# Altium PCB Spektrop2_Processor_Board_V1.PcbDoc (part 1 of 4) (continued)
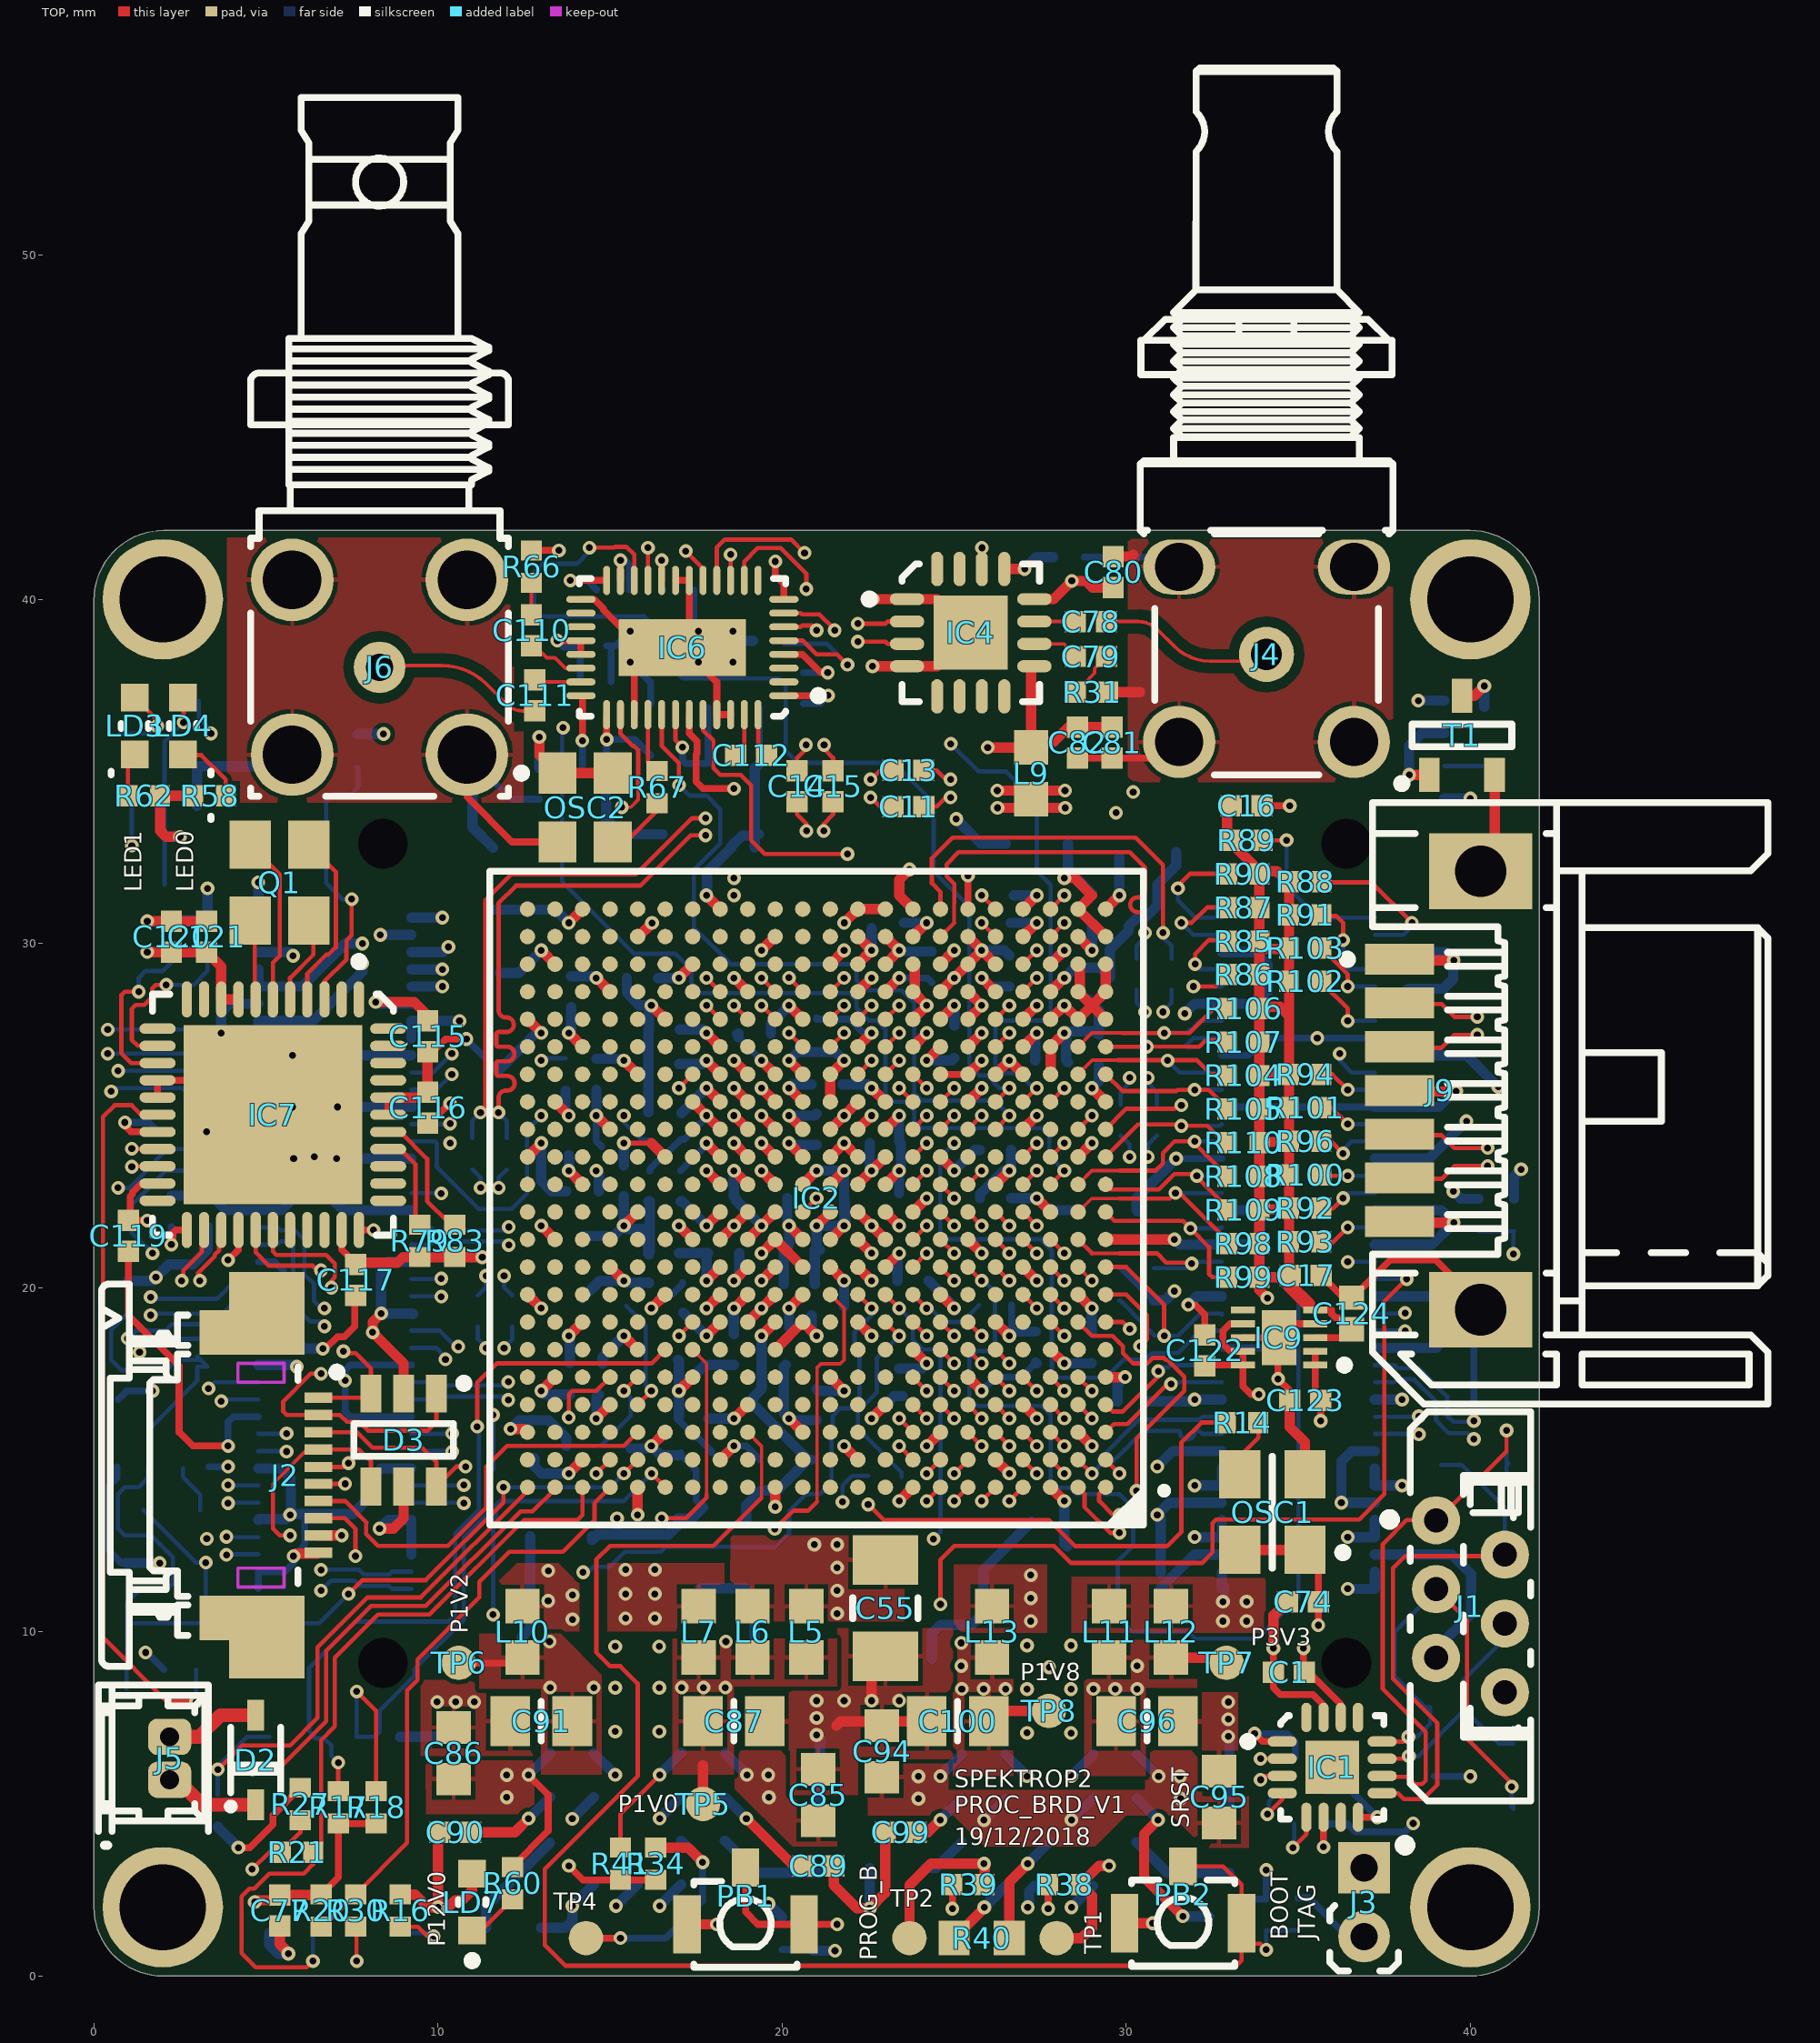
[diagram p0: TOP view]
## Classes and differential pairs (continued)
differential pair FPGA_BANK34_DIFF13: +FPGA_BANK34_DIFF13_P -FPGA_BANK34_DIFF13_N
differential pair FPGA_BANK34_DIFF14: +FPGA_BANK34_DIFF14_P -FPGA_BANK34_DIFF14_N
differential pair FPGA_BANK34_DIFF15: +FPGA_BANK34_DIFF15_P -FPGA_BANK34_DIFF15_N
differential pair FPGA_BANK34_DIFF16: +FPGA_BANK34_DIFF16_P -FPGA_BANK34_DIFF16_N
differential pair FPGA_BANK34_DIFF17: +FPGA_BANK34_DIFF17_P -FPGA_BANK34_DIFF17_N
differential pair FPGA_BANK34_DIFF18: +FPGA_BANK34_DIFF18_P -FPGA_BANK34_DIFF18_N
differential pair FPGA_BANK34_DIFF19: +FPGA_BANK34_DIFF19_P -FPGA_BANK34_DIFF19_N
differential pair MGT_TX1: +MGT_TX1_P -MGT_TX1_N

## Components (designator, comment, footprint, x,y, rotation, side; value= is the part's Value field where it differs from the comment)
C1 "1uF" CAPC1005X55N 34.726,8.819 r0 top locked
C2 "100nF" CAPC1005X55N 35.355,6.356 r180 bottom locked
C3 "100nF" CAPC0603X33N 20.91,1.085 r90 bottom locked
C4 "100nF" CAPC1005X55N 10.995,23.886 r90 bottom locked
C5 "100nF" CAPC1005X55N 12,23.886 r90 bottom locked
C6 "100nF" CAPC1005X55N 11.153,19.326 r90 bottom locked
C7 "100nF" CAPC1005X55N 12.158,19.326 r90 bottom locked
C8 "100nF" CAPC1005X55N 29.837,24.867 r270 bottom locked
C9 "100nF" CAPC1005X55N 30.884,24.867 r270 bottom locked
C10 "100nF" CAPC1005X55N 30.298,29.106 r90 bottom locked
C11 "100nF" CAPC1005X55N 23.667,33.98 r180 top locked
C12 "100nF" CAPC1005X55N 31.314,29.106 r90 bottom locked
C13 "100nF" CAPC1005X55N 23.667,35.029 r180 top locked
C14 "100nF" CAPC1005X55N 20.432,34.571 r90 top locked
C15 "100nF" CAPC1005X55N 21.48,34.571 r90 top locked
C16 "100nF" CAPC1005X55N 33.5,34 r180 top locked
C17 "100nF" CAPC1005X55N 35.215,20.359 r180 top locked
C18 "4.7uF" CAPC1005X55N 23.2,30.6 r180 bottom locked
C19 "100nF" CAPC1005X55N 26.7,31.1 r90 bottom locked
C20 "100nF" CAPC1005X55N 29,31 r90 bottom locked
C21 "330uF" CAPMP3528X210N 24.4,11.8 r0 bottom locked
C22 "4.7uF" CAPC1005X55N 16.6,25.1 r180 bottom locked
C23 "4.7uF" CAPC1005X55N 23.8,20.2 r0 bottom locked
C24 "100uF" CAPC3216X190N 19.02,11.27 r180 bottom locked
C25 "4.7uF" CAPC1005X55N 20.1,18.2 r270 bottom locked
C26 "47uF" CAPC2012X140N 13.4,12.8 r180 bottom locked
C27 "4.7uF" CAPC1005X55N 28.993,18.331 r270 bottom locked
C28 "4.7uF" CAPC1005X55N 29.199,26.9 r90 bottom locked
C29 "47uF" CAPC2012X140N 11.598,31.882 r90 bottom locked
C30 "4.7uF" CAPC1005X55N 16.564,27.5 r180 bottom locked
C31 "4.7uF" CAPC1005X55N 15.936,28.991 r180 bottom locked
C32 "47uF" CAPC2012X140N 14.199,20.6 r90 bottom locked
C33 "470nF" CAPC1005X55N 18.599,18.2 r270 bottom locked
C34 "470nF" CAPC1005X55N 16.7,22.5 r180 bottom locked
C35 "470nF" CAPC1005X55N 17.1,19.7 r90 bottom locked
C36 "470nF" CAPC1005X55N 21.3,19.2 r180 bottom locked
C37 "470nF" CAPC1005X55N 16.549,21 r180 bottom locked
C38 "470nF" CAPC1005X55N 18.3,21 r0 bottom locked
C39 "470nF" CAPC1005X55N 16.7,23.4 r180 bottom locked
C40 "470nF" CAPC1005X55N 26.2,22.6 r180 bottom locked
C41 "470nF" CAPC1005X55N 27.364,18.276 r270 bottom locked
C42 "470nF" CAPC1005X55N 15.4,23.1 r270 bottom locked
C43 "470nF" CAPC1005X55N 13.869,28.6 r270 bottom locked
C44 "470nF" CAPC1005X55N 19.088,27.381 r180 bottom locked
C45 "470nF" CAPC1005X55N 14.599,26.2 r270 bottom locked
C46 "4.7uF" CAPC1005X55N 26.6,29.3 r90 bottom locked
C47 "100nF" CAPC1005X55N 24.349,29.318 r90 bottom locked
C48 "100nF" CAPC1005X55N 27.799,26.6 r0 bottom locked
C49 "47uF" CAPC2012X140N 27.4,32.9 r0 bottom locked
C50 "4.7uF" CAPC1005X55N 23.5,17.3 r270 bottom locked
C51 "4.7uF" CAPC1005X55N 21,24.5 r270 bottom locked
C52 "100uF" CAPC3216X190N 17.923,33.174 r0 bottom locked
C53 "4.7uF" CAPC1005X55N 17.449,16.2 r180 bottom locked
C54 "470nF" CAPC1005X55N 20.999,16.6 r270 bottom locked
C55 "100uF" CAPC3216X190N 23,10.688 r270 top locked
C56 "4.7uF" CAPC1005X55N 21.3,25.9 r180 bottom locked
C57 "470nF" CAPC1005X55N 22.999,24.2 r0 bottom locked
C58 "4.7uF" CAPC1005X55N 29.1,28.8 r225 bottom locked
C59 "470nF" CAPC1005X55N 27.7,13.2 r180 bottom locked
C60 "470nF" CAPC1005X55N 30.199,16.7 r0 bottom locked
C61 "470nF" CAPC1005X55N 26.2,24.1 r0 bottom locked
C62 "47uF" CAPC2012X140N 29.4,22.25 r0 bottom locked
C63 "4.7uF" CAPC1005X55N 13.724,17.35 r90 bottom locked
C64 "470nF" CAPC1005X55N 14.215,24.1 r0 bottom locked
C65 "470nF" CAPC1005X55N 12.8,15.7 r90 bottom locked
C66 "100uF" CAPC3216X190N 11.696,27.737 r90 bottom locked
C67 "4.7uF" CAPC1005X55N 21,27.4 r90 bottom locked
C68 "470nF" CAPC1005X55N 16.564,26.45 r180 bottom locked
C69 "100uF" CAPC3216X190N 29.6,11.2 r0 bottom locked
C70 "4.7uF" CAPC1005X55N 14.679,17.342 r270 bottom locked
C71 "470nF" CAPC1005X55N 17.5,15.2 r0 bottom locked
C72 "470nF" CAPC1005X55N 19.599,16.8 r0 bottom locked
C73 "10uF" CAPC1608X80N 20,15.1 r180 bottom locked
C74 "100nF" CAPC1005X55N 35.13,10.876 r180 top locked
C75 "4.7uF" CAPC1005X55N 1.124,14.8 r180 bottom locked
C76 "100nF" CAPC1005X55N 34.066,1.785 r90 bottom locked
C77 "100nF" CAPC1005X55N 5.4,1.9 r90 top locked
C78 "33nF" CAPC1005X55N 28.972,39.356 r180 top locked
C79 "33nF" CAPC1005X55N 28.972,38.34 r180 top locked
C80 "100nF" CAPC1005X55N 29.619,40.794 r90 top locked
C81 "10nF" CAPC1005X55N 29.591,35.842 r270 top locked
C82 "10nF" CAPC1005X55N 28.582,35.842 r270 top locked
C83 "10nF" CAPC1005X55N 28.325,41.225 r0 bottom locked
C84 "10uF" CAPC2012X95N 10.8,6 r270 bottom locked
C85 "4.7uF" CAPC1709X95N 21.045,5.26 r270 top locked
C86 "4.7uF" CAPC1709X95N 10.45,6.47 r270 top locked
C87 "47uF" CAPC2012X140N 18.6,7.4 r180 top locked
C88 "22uF" CAPC1709X100N 18.4,9.216 r180 bottom locked
C89 "100nF" CAPC1005X55N 21.05,3.2 r180 top locked
C90 "100nF" CAPC1005X55N 10.5,4.176 r0 top locked
C91 "47uF" CAPC2012X140N 13,7.4 r0 top locked
C92 "22uF" CAPC1709X100N 13.24,9.216 r0 bottom locked
C93 "10uF" CAPC2012X95N 22.6,6.025 r270 bottom locked
C94 "4.7uF" CAPC1709X95N 22.9,6.523 r270 top locked
C95 "4.7uF" CAPC1709X95N 32.7,5.2 r270 top locked
C96 "47uF" CAPC2012X140N 30.6,7.4 r180 top locked
C97 "22uF" CAPC1709X100N 30.315,9.2 r180 bottom locked
C98 "100nF" CAPC1005X55N 32.78,1.741 r180 bottom locked
C99 "100nF" CAPC1005X55N 23.44,4.173 r0 top locked
C100 "47uF" CAPC2012X140N 25.1,7.4 r0 top locked
C101 "22uF" CAPC1709X100N 25.147,9.2 r0 bottom locked
C102 "470nF" CAPC1005X55N 20.5,20.1 r0 bottom locked
C103 "100nF" CAPC1005X55N 20.5,21.1 r0 bottom locked
C110 "4.7uF" CAPC1005X55N 12.712,39.1 r90 top locked
C111 "4.7uF" CAPC1005X55N 12.812,37.208 r270 top locked
C112 "470nF" CAPC1005X55N 19.096,35.468 r180 top locked
C113 "10nF" CAPC1005X55N 12.944,34.642 r90 bottom locked
C114 "10nF" CAPC1005X55N 19.6,38.8 r0 bottom locked
C115 "1uF" CAPC1005X55N 9.7,27.3 r270 top locked
C116 "1uF" CAPC1005X55N 9.7,25.225 r90 top locked
C117 "1uF" CAPC1005X55N 7.6,20.225 r90 top locked
C118 "1uF" CAPC1005X55N 3.3,22.225 r270 bottom locked
C119 "1uF" CAPC1005X55N 1,21.5 r90 top locked
C120 "1uF" CAPC1005X55N 2.25,30.2 r270 top locked
C121 "1uF" CAPC1005X55N 3.275,30.2 r270 top locked
C122 "1uF" CAPC1005X55N 32.275,18.175 r270 top locked
C123 "100nF" CAPC1005X55N 35.197,16.729 r180 top locked
C124 "10uF" CAPC1005X70N 36.55,19.25 r270 top locked
C125 "1uF" CAPC1005X55N 15.106,40.281 r180 bottom locked
C126 "100nF" CAPC1005X55N 16.989,40.277 r180 bottom locked
C127 "10uF" CAPC1608X80N 16.175,36.214 r270 bottom locked
C128 "100nF" CAPC1005X55N 14.6,35.1 r0 bottom locked
C129 "100nF" CAPC1005X55N 20.636,37.461 r90 bottom locked
C130 "10uF" CAPC1608X80N 18.587,36.851 r180 bottom locked
C131 "10uF" CAPC1608X80N 18.587,35.224 r180 bottom locked
C132 "100nF" CAPC1005X55N 14.584,38.649 r180 bottom locked
C133 "100nF" CAPC1005X55N 14.584,37.61 r180 bottom locked
C134 "1uF" CAPC1005X55N 2.325,24.525 r180 bottom locked
C135 "1uF" CAPC1005X55N 2.25,22.225 r270 bottom locked
D1 "BAT54" SOT95P240X130-3N 1.95,16.95 r180 bottom locked
D2 "CDSOD323-T12" SOD2513X114N 4.7,6.275 r90 top locked
D3 "PESD3V3S4UD" SOT95P280X110-6N 9,15.57 r270 top locked
D4 "SM712" SOT95P237X112-3N 40.1,5.8 r180 bottom locked
D5 "SM712" SOT95P237X112-3N 40.1,16 r90 bottom locked
IC1 "MAX13433E" QFN50P300X300X80-17N-S155 35.983,6.063 r0 top locked
IC2 "XC7Z015-2CLG485E" BGA484C80P22X22_1900X1900X160 20.999,22.6 r180 top locked
IC3 "S25FL128LAGNFV01" SON127P600X500X80-9N-R350X410 7,4.1 r270 bottom locked
IC4 "EQCO62T20.3" QFN65P400X400X95-17N-S215 25.479,39.031 r0 top locked
IC5 "LTM4622AEY#PBF" BGA25C127P5X5_625X625X262 15.795,5.2 r270 bottom locked
IC6 "GS12281-INE3" QFN40P600X400X100-41N-R370X168 17.1,38.6 r180 top locked
IC7 "SI5340" QFN50P700X700X80-45N-S520 5.2,25.025 r270 top locked
IC8 "LTM4622AEY#PBF" BGA25C127P5X5_625X625X262 27.76,5.16 r270 bottom locked
IC9 "TPS51206DSQT" SON40P200X200X80-11N-R100X160 34.438,18.55 r180 top locked
J1 "FFC/FPC" MOLEX_52030-0629 40,10.741 r270 top locked
J2 "FFC/FPC" MOLEX_52745-1097 6.525,14.55 r270 top locked
J3 "Header 2" HARWIN_M22-2510205 36.909,3.146 r270 top locked
J4 "75R" AMPHENOL_282139-75 34.075,38.4 r270 top locked
J5 "PicoBlade" MOLEX_53047-0210 2.2,6.325 r90 top locked
J6 "HD-BNC" AMPHENOL_34-1030-12G 8.3,38.025 r270 top locked
J7 "Socket 80" SAMTEC_ERF5-040-05.0-L-DV-K 7,21 r90 bottom locked
J8 "Socket 80" SAMTEC_ERF5-040-05.0-L-DV-K 35,21 r90 bottom locked
J9 "SATA" 3M_5607-4200-SH 37.94,25.73 r90 top locked
L1 "120R@100MHz" INDC1608X65N 19.4,22.6 r180 bottom locked
L2 "120R@100MHz" INDC1608X65N 22.6,22.6 r0 bottom locked
L3 "120R@100MHz" INDC1608X65N 30.7,32.651 r0 bottom locked
L4 "120R@100MHz" INDC1608X65N 18.2,13.2 r0 bottom locked
L5 "120R@100MHz" INDC1608X65N 20.7,10 r90 top locked
L6 "120R@100MHz" INDC1608X65N 19.137,10 r90 top locked
L7 "120R@100MHz" INDC1608X65N 17.575,10 r90 top locked
L9 "120R@100MHz" INDC1608X65N 27.235,34.944 r90 top locked
L10 "120R@100MHz" INDC1608X65N 12.454,10 r90 top locked
L11 "120R@100MHz" INDC1608X65N 29.5,10 r90 top locked
L12 "120R@100MHz" INDC1608X65N 31.3,10 r90 top locked
L13 "120R@100MHz" INDC1608X65N 26.1,10 r90 top locked
LD1 "Color" LED_KINGBRIGHT_KPH-1608CGCK 40.403,36.047 r90 bottom locked
LD2 "Color" LED_KINGBRIGHT_KPH-1608CGCK 2.265,13.535 r180 bottom locked
LD3 "Color" LED_KINGBRIGHT_KPH-1608CGCK 1.186,36.321 r90 top locked
LD4 "Color" LED_KINGBRIGHT_KPH-1608CGCK 2.586,36.321 r90 top locked
LD7 "Color" LED_KINGBRIGHT_KPH-1608CGCK 10.991,2.147 r90 top locked
OSC1 "33.33333MHz" OSC_SI-TIME_3.2X2.5X0.75mm 34.243,13.478 r180 top locked
OSC2 "27MHz" OSCCC200X250X90-4N 14.275,33.95 r0 top locked
PB1 "Push Button" PB_OMRON_B3U-1100P 18.935,1.5 r180 top locked
PB2 "Push Button" PB_OMRON_B3U-1100P 31.65,1.535 r180 top locked
Q1 "48MHz" XTAL_TXC_7M 5.393,31.767 r0 top locked
R1 "4k7" RESC1005X40N 35.35,4.42 r0 bottom locked
R2 "100" RESC1005X40N 39.3,7.8 r180 bottom locked
R3 "4k7" RESC1005X40N 35.351,5.372 r180 bottom locked
R5 "22" RESC1005X40N 23,14.5 r0 bottom locked
R8 "4k7" RESC1005X40N 13.7,26.193 r90 bottom locked
R9 "0" RESC1005X40N 16.5,24.3 r180 bottom locked
R10 "1k" RESC1005X40N 39.242,34.687 r270 bottom locked
R11 "4k7" RESC1005X40N 19.995,1.235 r90 bottom locked
R12 "3k" RESC1005X40N 39.242,36.587 r90 bottom locked
R13 "100" RESC1005X40N 24.9,27.2 r270 bottom locked
R14 "22" RESC1005X40N 33.368,16.082 r0 top locked
R15 "4k7" RESC1005X40N 3.6,4.8 r270 bottom locked
R16 "20k" RESC1005X40N 8.9,1.9 r90 top locked
R17 "20k" RESC1005X40N 7.1,4.9 r270 top locked
R18 "20k" RESC1005X40N 8.2,4.9 r270 top locked
R19 "100" RESC1005X40N 26.2,19.5 r0 bottom locked
R20 "20k" RESC1005X40N 6.6,1.9 r90 top locked
R21 "20k" RESC1005X40N 5.9,3.6 r180 top locked
R22 "1k" RESC1005X40N 2.87,14.8 r0 bottom locked
R23 "10k" RESC1005X40N 34.996,1.797 r90 bottom locked
R24 "100k" RESC1005X40N 0.983,19.727 r90 bottom locked
R25 "20k" RESC1005X40N 15.8,19.8 r225 bottom locked
R26 "20k" RESC1005X40N 15.6,15.8 r90 bottom locked
R27 "1k" RESC1005X40N 6,5 r90 top locked
R28 "Undefined" RESC1005X40N 14.2,15.4 r180 bottom locked
R29 "Undefined" RESC1005X40N 16.5,17.9 r0 bottom locked
R30 "22" RESC1005X40N 7.6,1.9 r270 top locked
R31 "75" RESC1005X40N 29,37.3 r180 top locked
R32 "60k4" RESC1608X55N 12.2,1.4 r180 bottom locked
R33 "90k9" RESC1608X55N 21.09,3.8 r270 bottom locked
R34 "10k" RESC1005X40N 16.319,3.26 r90 top locked
R36 "30k1" RESC1608X55N 23.35,3.14 r0 bottom locked
R37 "13k3" RESC1608X55N 33,3.8 r270 bottom locked
R38 "10k" RESC1005X40N 28.2,2.66 r0 top locked
R39 "10k" RESC1005X40N 25.415,2.66 r0 top locked
R40 "324k" RESC1608X55N 25.8,1.1 r0 top locked
R41 "10k" RESC1005X40N 15.3,3.26 r90 top locked
R48 "100" RESC1005X40N 14.2,22.7 r0 bottom locked
R58 "1k" RESC1005X40N 3.36,34.295 r180 top locked
R60 "10k" RESC1005X40N 12.16,2.7 r90 top locked
R62 "1k" RESC1005X40N 1.455,34.295 r0 top locked
R66 "75" RESC1005X40N 12.712,40.95 r90 top locked
R67 "22" RESC1005X40N 16.361,34.545 r90 top locked
R77 "Undefined" RESC1005X40N 40.231,22.111 r270 bottom locked
R78 "1k" RESC1005X40N 41.271,22.111 r90 bottom locked
R79 "4k7" RESC1005X40N 9.471,21.355 r270 top locked
R80 "4k7" RESC1005X40N 7.651,35.618 r90 bottom locked
R81 "4k7" RESC1005X40N 2.3,30.2 r270 bottom locked
R82 "4k7" RESC1005X40N 3.3,30.2 r270 bottom locked
R83 "4k7" RESC1005X40N 10.491,21.355 r90 top locked
R84 "4k7" RESC1005X40N 2.5,8.9 r0 bottom locked
R85 "49R9" RESC1005X40N 33.4,30.069 r0 top locked
R86 "49R9" RESC1005X40N 33.4,29.1 r0 top locked
R87 "49R9" RESC1005X40N 33.4,31.046 r0 top locked
R88 "49R9" RESC1005X40N 35.2,31.8 r180 top locked
R89 "49R9" RESC1005X40N 33.5,33 r180 top locked
R90 "49R9" RESC1005X40N 33.4,32.023 r0 top locked
R91 "49R9" RESC1005X40N 35.2,30.833 r180 top locked
R92 "49R9" RESC1005X40N 35.2,22.306 r180 top locked
R93 "49R9" RESC1005X40N 35.2,21.333 r180 top locked
R94 "49R9" RESC1005X40N 35.2,26.2 r180 top locked
R95 "49R9" RESC1005X40N 29.8,20.1 r90 bottom locked
R96 "49R9" RESC1005X40N 35.2,24.253 r180 top locked
R97 "49R9" RESC1005X40N 30.8,20.1 r270 bottom locked
R98 "49R9" RESC1005X40N 33.4,21.277 r0 top locked
R99 "49R9" RESC1005X40N 33.4,20.3 r0 top locked
R100 "49R9" RESC1005X40N 35.2,23.28 r180 top locked
R101 "49R9" RESC1005X40N 35.2,25.227 r180 top locked
R102 "49R9" RESC1005X40N 35.2,28.9 r180 top locked
R103 "49R9" RESC1005X40N 35.2,29.867 r180 top locked
R104 "49R9" RESC1005X40N 33.4,26.162 r0 top locked
R105 "49R9" RESC1005X40N 33.4,25.185 r0 top locked
R106 "49R9" RESC1005X40N 33.4,28.115 r0 top locked
R107 "49R9" RESC1005X40N 33.4,27.138 r0 top locked
R108 "49R9" RESC1005X40N 33.4,23.231 r0 top locked
R109 "49R9" RESC1005X40N 33.4,22.254 r0 top locked
R110 "49R9" RESC1005X40N 33.4,24.208 r0 top locked
T1 "BSH103" SOT95P230X110-3N 39.753,36.047 r90 top locked
T2 "BSH103" SOT95P230X110-3N 2.1,11.05 r0 bottom locked
T4 "BSH103" SOT95P230X110-3N 2.05,32.85 r270 bottom locked
T5 "BSH103" SOT95P230X110-3N 1.9,36.1 r180 bottom locked
TP1 "SMD Pad" C100 27.975,1.1 r180 top locked
TP2 "SMD Pad" C100 23.7,1.1 r180 top locked
TP3 "SMD Pad" C100 1,8.3 r180 bottom locked
TP4 "SMD Pad" C100 14.301,1.1 r0 top locked
TP5 "SMD Pad" C100 17.7,5 r180 top locked
TP6 "SMD Pad" C100 10.6,9.1 r180 top locked
TP7 "SMD Pad" C100 32.91,9.1 r180 top locked
TP8 "SMD Pad" C100 27.75,7.7 r180 top locked

## Footprints (in the part's own frame and the unit in brackets; to place one, negate y for a bottom-side part, rotate by r counter-clockwise, add the part's x,y. Pads: shape width x height; smd on the part's side, far side on the other; paste and mask are expansions set on the pad)
3M_5607-4200-SH [mm] "1.27mm (.050\") Pitch, Surface Mount, Right Angle, Serial ATA Plug (SATA)"
  rect 0.9x2 smd: 1(3.81,0) 2(2.54,0) 3(1.27,0) 4(0,0) 5(-1.27,0) 6(-2.54,0) 7(-3.81,0)
  rect 2.2x3 hole 1.5: 8(-6.37,-2.36) 8(6.37,-2.36)
  silkscreen extent -9.11,-10.71 8.36,1.64, body extent -9.11,-10.71 8.36,0.79, height 4
AMPHENOL_34-1030-12G [mm] "75 Ohm HD-BNC Through Hole Right Angle PCB Jack"
  round 1.5 hole 0.8: 1(0,0)
  round 2.4 hole 1.7: 2(-2.54,2.54) 2(-2.54,-2.54) 2(2.54,2.54) 2(2.54,-2.54)
  silkscreen extent -16.55,-3.75 3.75,3.75, body extent -16.55,-3.75 3.75,3.75, height 8
AMPHENOL_282139-75 [mm] "75 Ohm 1.0/2.3 Right Angle Through Hole PCB Jack"
  round 1.6 hole 0.9: 1(0,0)
  oval 1.6x2.1 hole 1.4: 2(-2.54,2.54) 2(-2.54,-2.54)
  round 2.1 hole 1.4: 2(2.54,2.54) 2(2.54,-2.54)
  silkscreen extent -17.04,-3.67 3.5,3.67, body extent -17.04,-3.67 3.5,3.67, height 7.4
BGA25C127P5X5_625X625X262 [mm] "BGA, 1.27mm Pitch, Square; 25 Pin, 5 Columns X 5 Rows, 6.25mm X 6.25mm X 2.62mm H"
  round 0.6 smd: A1(-2.54,2.54) A2(-1.27,2.54) A3(0,2.54) A4(1.27,2.54) A5(2.54,2.54) B1(-2.54,1.27) B2(-1.27,1.27) B3(0,1.27) B4(1.27,1.27) B5(2.54,1.27) C1(-2.54,0) C2(-1.27,0) C3(0,0) C4(1.27,0) C5(2.54,0) D1(-2.54,-1.27) D2(-1.27,-1.27) D3(0,-1.27) D4(1.27,-1.27) D5(2.54,-1.27) E1(-2.54,-2.54) E2(-1.27,-2.54) E3(0,-2.54) E4(1.27,-2.54) E5(2.54,-2.54)
  silkscreen extent -3.71,-3.15 3.15,3.15, body extent -3.12,-3.12 3.13,3.13, height 2.62
BGA484C80P22X22_1900X1900X160 [mm] "BGA, 0.80mm Pitch, Square; 484 Pins, 22 Columns X 22 Rows, 19.00mm X 19.00mm X 1.60mm H"
  round 0.45 smd: A1(-8.4,8.4) A2(-7.6,8.4) A3(-6.8,8.4) A4(-6,8.4) A5(-5.2,8.4) A6(-4.4,8.4) A7(-3.6,8.4) A8(-2.8,8.4) A9(-2,8.4) A10(-1.2,8.4) A11(-0.4,8.4) A12(0.4,8.4) A13(1.2,8.4) A14(2,8.4) A15(2.8,8.4) A16(3.6,8.4) A17(4.4,8.4) A18(5.2,8.4) A19(6,8.4) A20(6.8,8.4) A21(7.6,8.4) A22(8.4,8.4) AA1(-8.4,-7.6) AA2(-7.6,-7.6) AA3(-6.8,-7.6) AA4(-6,-7.6) AA5(-5.2,-7.6) AA6(-4.4,-7.6) AA7(-3.6,-7.6) AA8(-2.8,-7.6) AA9(-2,-7.6) AA10(-1.2,-7.6) AA11(-0.4,-7.6) AA12(0.4,-7.6) AA13(1.2,-7.6) AA14(2,-7.6) AA15(2.8,-7.6) AA16(3.6,-7.6) AA17(4.4,-7.6) AA18(5.2,-7.6) AA19(6,-7.6) AA20(6.8,-7.6) AA21(7.6,-7.6) AA22(8.4,-7.6) AB1(-8.4,-8.4) AB2(-7.6,-8.4) AB3(-6.8,-8.4) AB4(-6,-8.4) AB5(-5.2,-8.4) AB6(-4.4,-8.4) AB7(-3.6,-8.4) AB8(-2.8,-8.4) AB9(-2,-8.4) AB10(-1.2,-8.4) AB11(-0.4,-8.4) AB12(0.4,-8.4) AB13(1.2,-8.4) AB14(2,-8.4) AB15(2.8,-8.4) AB16(3.6,-8.4) AB17(4.4,-8.4) AB18(5.2,-8.4) AB19(6,-8.4) AB20(6.8,-8.4) AB21(7.6,-8.4) AB22(8.4,-8.4) B1(-8.4,7.6) B2(-7.6,7.6) B3(-6.8,7.6) B4(-6,7.6) B5(-5.2,7.6) B6(-4.4,7.6) B7(-3.6,7.6) B8(-2.8,7.6) B9(-2,7.6) B10(-1.2,7.6) B11(-0.4,7.6) B12(0.4,7.6) B13(1.2,7.6) B14(2,7.6) B15(2.8,7.6) B16(3.6,7.6) B17(4.4,7.6) B18(5.2,7.6) B19(6,7.6) B20(6.8,7.6) B21(7.6,7.6) B22(8.4,7.6) C1(-8.4,6.8) C2(-7.6,6.8) C3(-6.8,6.8) C4(-6,6.8) C5(-5.2,6.8) C6(-4.4,6.8) C7(-3.6,6.8) C8(-2.8,6.8) C9(-2,6.8) C10(-1.2,6.8) C11(-0.4,6.8) C12(0.4,6.8) C13(1.2,6.8) C14(2,6.8) C15(2.8,6.8) C16(3.6,6.8) C17(4.4,6.8) C18(5.2,6.8) C19(6,6.8) C20(6.8,6.8) C21(7.6,6.8) C22(8.4,6.8) D1(-8.4,6) D2(-7.6,6) D3(-6.8,6) D4(-6,6) D5(-5.2,6) D6(-4.4,6) D7(-3.6,6) D8(-2.8,6) D9(-2,6) D10(-1.2,6) D11(-0.4,6) D12(0.4,6) D13(1.2,6) D14(2,6) D15(2.8,6) D16(3.6,6) D17(4.4,6) D18(5.2,6) D19(6,6) D20(6.8,6) D21(7.6,6) D22(8.4,6) E1(-8.4,5.2) E2(-7.6,5.2) E3(-6.8,5.2) E4(-6,5.2) E5(-5.2,5.2) E6(-4.4,5.2) E7(-3.6,5.2) E8(-2.8,5.2) E9(-2,5.2) E10(-1.2,5.2) E11(-0.4,5.2) E12(0.4,5.2) E13(1.2,5.2) E14(2,5.2) E15(2.8,5.2) E16(3.6,5.2) E17(4.4,5.2) E18(5.2,5.2) E19(6,5.2) E20(6.8,5.2) E21(7.6,5.2) E22(8.4,5.2) F1(-8.4,4.4) F2(-7.6,4.4) F3(-6.8,4.4) F4(-6,4.4) F5(-5.2,4.4) F6(-4.4,4.4) F7(-3.6,4.4) F8(-2.8,4.4) F9(-2,4.4) F10(-1.2,4.4) F11(-0.4,4.4) F12(0.4,4.4) F13(1.2,4.4) F14(2,4.4) F15(2.8,4.4) F16(3.6,4.4) F17(4.4,4.4) F18(5.2,4.4) F19(6,4.4) F20(6.8,4.4) F21(7.6,4.4) F22(8.4,4.4) G1(-8.4,3.6) G2(-7.6,3.6) G3(-6.8,3.6) G4(-6,3.6) G5(-5.2,3.6) G6(-4.4,3.6) G7(-3.6,3.6) G8(-2.8,3.6) G9(-2,3.6) G10(-1.2,3.6) G11(-0.4,3.6) G12(0.4,3.6) G13(1.2,3.6) G14(2,3.6) G15(2.8,3.6) G16(3.6,3.6) G17(4.4,3.6) G18(5.2,3.6) G19(6,3.6) G20(6.8,3.6) G21(7.6,3.6) G22(8.4,3.6) H1(-8.4,2.8) H2(-7.6,2.8) H3(-6.8,2.8) H4(-6,2.8) H5(-5.2,2.8) H6(-4.4,2.8) H7(-3.6,2.8) H8(-2.8,2.8) H9(-2,2.8) H10(-1.2,2.8) H11(-0.4,2.8) H12(0.4,2.8) H13(1.2,2.8) H14(2,2.8) H15(2.8,2.8) H16(3.6,2.8) H17(4.4,2.8) H18(5.2,2.8) H19(6,2.8) H20(6.8,2.8) H21(7.6,2.8) H22(8.4,2.8) J1(-8.4,2) J2(-7.6,2) J3(-6.8,2) J4(-6,2) J5(-5.2,2) J6(-4.4,2) J7(-3.6,2) J8(-2.8,2) J9(-2,2) J10(-1.2,2) J11(-0.4,2) J12(0.4,2) J13(1.2,2) J14(2,2) J15(2.8,2) J16(3.6,2) J17(4.4,2) J18(5.2,2) J19(6,2) J20(6.8,2) J21(7.6,2) J22(8.4,2) K1(-8.4,1.2) K2(-7.6,1.2) K3(-6.8,1.2) K4(-6,1.2) K5(-5.2,1.2) K6(-4.4,1.2) K7(-3.6,1.2) K8(-2.8,1.2) K9(-2,1.2) K10(-1.2,1.2) K11(-0.4,1.2) K12(0.4,1.2) K13(1.2,1.2) K14(2,1.2) K15(2.8,1.2) K16(3.6,1.2) K17(4.4,1.2) K18(5.2,1.2) K19(6,1.2) K20(6.8,1.2) K21(7.6,1.2) K22(8.4,1.2) L1(-8.4,0.4) L2(-7.6,0.4) L3(-6.8,0.4) L4(-6,0.4) L5(-5.2,0.4) L6(-4.4,0.4) L7(-3.6,0.4) L8(-2.8,0.4) L9(-2,0.4) L10(-1.2,0.4) L11(-0.4,0.4) L12(0.4,0.4) L13(1.2,0.4) L14(2,0.4) L15(2.8,0.4) L16(3.6,0.4) L17(4.4,0.4) L18(5.2,0.4) L19(6,0.4) L20(6.8,0.4) L21(7.6,0.4) L22(8.4,0.4) M1(-8.4,-0.4) M2(-7.6,-0.4) M3(-6.8,-0.4) M4(-6,-0.4) M5(-5.2,-0.4) M6(-4.4,-0.4) M7(-3.6,-0.4) M8(-2.8,-0.4) M9(-2,-0.4) M10(-1.2,-0.4) M11(-0.4,-0.4) M12(0.4,-0.4) M13(1.2,-0.4) M14(2,-0.4) M15(2.8,-0.4) M16(3.6,-0.4) M17(4.4,-0.4) M18(5.2,-0.4) M19(6,-0.4) M20(6.8,-0.4) M21(7.6,-0.4) M22(8.4,-0.4) N1(-8.4,-1.2) N2(-7.6,-1.2) N3(-6.8,-1.2) N4(-6,-1.2) N5(-5.2,-1.2) N6(-4.4,-1.2) N7(-3.6,-1.2) N8(-2.8,-1.2) N9(-2,-1.2) N10(-1.2,-1.2) N11(-0.4,-1.2) N12(0.4,-1.2) N13(1.2,-1.2) N14(2,-1.2) N15(2.8,-1.2) N16(3.6,-1.2) N17(4.4,-1.2) N18(5.2,-1.2) N19(6,-1.2) N20(6.8,-1.2) N21(7.6,-1.2) N22(8.4,-1.2) P1(-8.4,-2) P2(-7.6,-2) P3(-6.8,-2) P4(-6,-2) P5(-5.2,-2) P6(-4.4,-2) P7(-3.6,-2) P8(-2.8,-2) P9(-2,-2) P10(-1.2,-2) P11(-0.4,-2) P12(0.4,-2) P13(1.2,-2) P14(2,-2) P15(2.8,-2) P16(3.6,-2) P17(4.4,-2) P18(5.2,-2) P19(6,-2) P20(6.8,-2) P21(7.6,-2) P22(8.4,-2) R1(-8.4,-2.8) R2(-7.6,-2.8) R3(-6.8,-2.8) R4(-6,-2.8) R5(-5.2,-2.8) R6(-4.4,-2.8) R7(-3.6,-2.8) R8(-2.8,-2.8) R9(-2,-2.8) R10(-1.2,-2.8) R11(-0.4,-2.8) R12(0.4,-2.8) R13(1.2,-2.8) R14(2,-2.8) R15(2.8,-2.8) R16(3.6,-2.8) R17(4.4,-2.8) R18(5.2,-2.8) R19(6,-2.8) R20(6.8,-2.8) R21(7.6,-2.8) R22(8.4,-2.8) T1(-8.4,-3.6) T2(-7.6,-3.6) T3(-6.8,-3.6) T4(-6,-3.6) T5(-5.2,-3.6) T6(-4.4,-3.6) T7(-3.6,-3.6) T8(-2.8,-3.6) T9(-2,-3.6) T10(-1.2,-3.6) T11(-0.4,-3.6) T12(0.4,-3.6) T13(1.2,-3.6) T14(2,-3.6) T15(2.8,-3.6) T16(3.6,-3.6) T17(4.4,-3.6) T18(5.2,-3.6) T19(6,-3.6) T20(6.8,-3.6) T21(7.6,-3.6) T22(8.4,-3.6) U1(-8.4,-4.4) U2(-7.6,-4.4) U3(-6.8,-4.4) U4(-6,-4.4) U5(-5.2,-4.4) U6(-4.4,-4.4) U7(-3.6,-4.4) U8(-2.8,-4.4) U9(-2,-4.4) U10(-1.2,-4.4) U11(-0.4,-4.4) U12(0.4,-4.4) U13(1.2,-4.4) U14(2,-4.4) U15(2.8,-4.4) U16(3.6,-4.4) U17(4.4,-4.4) U18(5.2,-4.4) U19(6,-4.4) U20(6.8,-4.4) U21(7.6,-4.4) U22(8.4,-4.4) V1(-8.4,-5.2) V2(-7.6,-5.2) V3(-6.8,-5.2) V4(-6,-5.2) V5(-5.2,-5.2) V6(-4.4,-5.2) V7(-3.6,-5.2) V8(-2.8,-5.2) V9(-2,-5.2) V10(-1.2,-5.2) V11(-0.4,-5.2) V12(0.4,-5.2) V13(1.2,-5.2) V14(2,-5.2) V15(2.8,-5.2) V16(3.6,-5.2) V17(4.4,-5.2) V18(5.2,-5.2) V19(6,-5.2) V20(6.8,-5.2) V21(7.6,-5.2) V22(8.4,-5.2) W1(-8.4,-6) W2(-7.6,-6) W3(-6.8,-6) W4(-6,-6) W5(-5.2,-6) W6(-4.4,-6) W7(-3.6,-6) W8(-2.8,-6) W9(-2,-6) W10(-1.2,-6) W11(-0.4,-6) W12(0.4,-6) W13(1.2,-6) W14(2,-6) W15(2.8,-6) W16(3.6,-6) W17(4.4,-6) W18(5.2,-6) W19(6,-6) W20(6.8,-6) W21(7.6,-6) W22(8.4,-6) Y1(-8.4,-6.8) Y2(-7.6,-6.8) Y3(-6.8,-6.8) Y4(-6,-6.8) Y5(-5.2,-6.8) Y6(-4.4,-6.8) Y7(-3.6,-6.8) Y8(-2.8,-6.8) Y9(-2,-6.8) Y10(-1.2,-6.8) Y11(-0.4,-6.8) Y12(0.4,-6.8) Y13(1.2,-6.8) Y14(2,-6.8) Y15(2.8,-6.8) Y16(3.6,-6.8) Y17(4.4,-6.8) Y18(5.2,-6.8) Y19(6,-6.8) Y20(6.8,-6.8) Y21(7.6,-6.8) Y22(8.4,-6.8)
  silkscreen extent -10.2,-9.5 9.5,9.5, body extent -9.5,-9.5 9.5,9.5, height 1.6
C100 [mm] "1mm Diameter SMD Pad"
  round 1 smd paste-1: 1(0,0)
CAPC0603X33N [mm] "Chip Capacitor, Body 0.6x0.30mm, IPC Medium Density"
  rect 0.45x0.4 smd: 1(-0.35,0) 2(0.35,0)
  body extent -0.31,-0.16 0.32,0.17, height 0.33
CAPC1005X55N [mm] "Chip Capacitor, Body 1.0x0.55mm, IPC Medium Density"
  rect 0.62x0.62 smd: 1(-0.45,0) 2(0.45,0)
  body extent -0.52,-0.27 0.53,0.28, height 0.55
CAPC1005X70N [mm] "Capacitor, Non-Polarized, Chip; 1.00mm L X 0.50mm W X 0.70mm H, IPC Medium Density"
  rect 0.71x0.72 smd: 1(-0.46,0) 2(0.46,0)
  body extent -0.6,-0.35 0.6,0.35, height 0.7
CAPC1608X80N [mm] "Chip Capacitor, Body 1.6x0.8mm IPC Medium Density"
  rect 1x1 smd: 1(-0.75,0) 2(0.75,0)
  body extent -0.87,-0.47 0.88,0.48, height 0.8
CAPC1709X95N [mm] "Capacitor, non-Polarized, Chip; 1.65mm L X 0.85mm W X 0.95mm H,IPC Medium Density"
  rect 0.95x1 smd: 1(-0.75,0) 2(0.75,0)
  body extent -0.87,-0.47 0.88,0.48, height 0.95
CAPC1709X100N [mm] "Capacitor,non-Polarized, Chip;1.65mm L X 0.85mm W X 1.00mm H, IPC Medium Density"
  rect 0.95x1.05 smd: 1(-0.8,0) 2(0.8,0)
  body extent -0.9,-0.5 0.9,0.5, height 1
CAPC2012X95N [mm] "Chip Capacitor, Body 2.0x1.25mm, IPC Medium Density"
  rect 1.1x1.45 smd: 1(-0.9,0) 2(0.9,0)
  silkscreen extent 0,-0.57 0,0.57, body extent -1.05,-0.67 1.05,0.68, height 0.95
CAPC2012X140N [mm] "Chip Capacitor, Body 2.0x1.25mm, IPC Medium Density"
  rect 1.15x1.45 smd: 1(-0.9,0) 2(0.9,0)
  silkscreen extent 0,-0.57 0,0.57, body extent -1.05,-0.67 1.05,0.68, height 1.3
CAPC3216X190N [mm] "Chip Capacitor, Body 3.2x1.6mm, IPC Medium Density"
  rect 1.45x1.9 smd: 1(-1.4,0) 2(1.4,0)
  silkscreen extent -0.3,-0.95 0.3,0.95, body extent -1.75,-0.95 1.75,0.95, height 1.9
CAPMP3528X210N [mm] "Capacitor, Polarized, Molded  Body 3.5x2.8mm, IPC Medium Density"
  rect 1.8x2.25 smd: 1(-1.45,0) 2(1.45,0)
  silkscreen extent -2.52,-1.5 1.85,1.72, body extent -1.85,-1.5 1.85,1.5, height 2.1
HARWIN_M22-2510205 [mm] "2 Contacts - Pitch 2mm - Single Row Through Mount Straight Header (Post Lead = 3.5mm, Tail Lead 2.3mm, Insulator 1.5mm)"
  rect 1.5x1.5 hole 0.8: 1(0,0)
  round 1.5 hole 0.8: 2(2,0)
  silkscreen extent -0.8,-1 3,1.34, body extent -1,-1 3,1, height 5
INDC1608X65N [mm] "Chip Inductor, 2-Leads, EIA 0603, Metric 1608, Body 1.6x0.8mm, IPC Medium Density"
  rect 1x1 smd: 1(-0.75,0) 2(0.75,0)
  body extent -0.87,-0.47 0.88,0.48, height 0.65
LED_KINGBRIGHT_KPH-1608CGCK [mm] "SMT Green LED, Case 0603, Body L 1.6 x W 0.8mm H 0.65mm"
  rect 0.8x0.8 smd: 1(-0.825,0) 2(0.825,0)
  silkscreen extent -1.82,-0.4 0.08,0.4, body extent -0.8,-0.4 0.8,0.4, height 0.65
MOLEX_52030-0629 [mm] "6 Contacts, 1.0mm Pitch, Vertical Through-Hole FCC/FPC Connector"
  round 1.4 hole 0.7: 1(-2.5,-1) 2(-1.5,1) 3(-0.5,-1) 4(0.5,1) 5(1.5,-1) 6(2.5,1)
  silkscreen extent -5.65,-2.5 5.65,1.75, body extent -5.65,-1.75 5.65,1.75, height 6.7
MOLEX_52745-1097 [mm] "10 Contacts, 0.5mm Pitch, Right Angled Surface Mount FPC Connector, ZIF, Top Contact Style"
  rect 0.3x0.8 smd: 1(-2.25,0) 2(-1.75,0) 3(-1.25,0) 4(-0.75,0) 5(-0.24,0) 6(0.25,0) 7(0.75,0) 8(1.25,0) 9(1.75,0) 10(2.25,0)
  rect 1.1x2.2 smd: MECH(-5.35,-1.5) MECH(5.35,-1.5)
  rect 1.3x3.05 smd: MECH(-4.15,-1.925) MECH(4.15,-1.925)
  TOP keep-out lines w0.1: 3.25,-2.34 3.25,-1 2.7,-1 2.7,-2.34 3.25,-2.34 ; -2.7,-2.34 -3.25,-2.34 -3.25,-1 -2.7,-1 -2.7,-2.34
  silkscreen extent -5.55,-6.3 5.55,0.66, body extent -5.55,-6.3 5.55,0.1, height 2
MOLEX_53047-0210 [mm] "1.25mm Pitch PicoBlade™ Wire-to-Board 2 Circuits Vertical Header with Friction Lock"
  rrect50% 1.05x1.25 hole 0.55: 1(-0.625,0) 2(0.625,0)
  silkscreen extent -2.13,-1.13 2.13,2.08, body extent -2.12,-1.17 2.13,2.08, height 4.2
OSC_SI-TIME_3.2X2.5X0.75mm [mm] "Si Time Oscillators, 4 Pin, Pitch 2.1mm, 3.2mm x 2.5mm x0.75mm"
  rect 1.2x1.4 smd: 1(-0.95,1.1) 2(-0.95,-1.1) 3(0.95,-1.1) 4(0.95,1.1)
  silkscreen extent -2.17,-1.62 0,1.63, body extent -1.27,-1.62 1.28,1.63, height 0.8
OSCCC200X250X90-4N [mm] "Oscillator, corner concave; 4 pin, 2.50mm L X 2.00mm W X 0.90mm H, IPC Medium Density"
  rect 1.1x1.2 smd: 1(-0.8,1) 2(-0.8,-1) 3(0.8,-1) 4(0.8,1)
  silkscreen extent -1.97,0.88 -1.72,1.12, body extent -1.07,-1.32 1.08,1.33, height 0.8
PB_OMRON_B3U-1100P [mm] "Body 1.2x3x2.5mm Ultra-Small Tactile Pushbutton Switch, (with Ground Terminal), OMRON B3U Series"
  rect 0.8x1.7 smd: 1(-1.7,0) 2(1.7,0)
  rect 0.8x1.1 smd: 3(0,-1.65)
  silkscreen extent -1.5,-1.25 1.5,1.25, body extent -2,-1.95 2,1.25, height 1.75
QFN40P600X400X100-41N-R370X168 [mm] "QFN, 0.40mm Pitch, Rect., Pin 1 on Short Dimension; 40 Pin, 4.00mm L X 6.00mm W X 1.00mm H Body (w/Thermal Tab 3.70 X 1.68 mm), IPC Medium Density"
  oval 0.85x0.2 smd: 1(-2.95,1.4) 2(-2.95,1) 3(-2.95,0.6) 4(-2.95,0.2) 5(-2.95,-0.2) 6(-2.95,-0.6) 7(-2.95,-1) 8(-2.95,-1.4) 21(2.95,-1.4) 22(2.95,-1) 23(2.95,-0.6) 24(2.95,-0.2) 25(2.95,0.2) 26(2.95,0.6) 27(2.95,1) 28(2.95,1.4)
  oval 0.2x0.85 smd: 9(-2.2,-1.95) 10(-1.8,-1.95) 11(-1.4,-1.95) 12(-1,-1.95) 13(-0.6,-1.95) 14(-0.2,-1.95) 15(0.2,-1.95) 16(0.6,-1.95) 17(1,-1.95) 18(1.4,-1.95) 19(1.8,-1.95) 20(2.2,-1.95) 29(2.2,1.95) 30(1.8,1.95) 31(1.4,1.95) 32(1,1.95) 33(0.6,1.95) 34(0.2,1.95) 35(-0.2,1.95) 36(-0.6,1.95) 37(-1,1.95) 38(-1.4,1.95) 39(-1.8,1.95) 40(-2.2,1.95)
  rect 3.7x1.65 smd paste-0.405: 41(0,0)
  silkscreen extent -4.08,-2 3,2, body extent -3,-2 3,2, height 1
QFN50P300X300X80-17N-S155 [mm] "QFN,0.50mm pitch,square; 4 pin X 4 pin, 3mm X 3mm X 0.80mm H body (w/thermal tab 1.55 X 1.55mm),  IPC Medium Density"
  oval 0.85x0.3 smd: 1(-1.45,0.75) 2(-1.45,0.25) 3(-1.45,-0.25) 4(-1.45,-0.75) 9(1.45,-0.75) 10(1.45,-0.25) 11(1.45,0.25) 12(1.45,0.75)
  oval 0.3x0.85 smd: 5(-0.75,-1.45) 6(-0.25,-1.45) 7(0.25,-1.45) 8(0.75,-1.45) 13(0.75,1.45) 14(0.25,1.45) 15(-0.25,1.45) 16(-0.75,1.45)
  rect 1.55x1.55 smd: 17(0,0)
  silkscreen extent -2.57,-1.5 1.5,1.5, body extent -1.57,-1.57 1.58,1.58, height 0.8
QFN50P700X700X80-45N-S520 [mm] "QFN,0.50mm Pitch, Square; 44 Pin, 7.00mm L X 7.00mm W X 0.80mm H Body (W/Thermal Tab 5.2mm X 5.2mm), IPC Medium Density"
  oval 1.05x0.3 smd: 1(-3.35,2.5) 2(-3.35,2) 3(-3.35,1.5) 4(-3.35,1) 5(-3.35,0.5) 6(-3.35,0) 7(-3.35,-0.5) 8(-3.35,-1) 9(-3.35,-1.5) 10(-3.35,-2) 11(-3.35,-2.5) 23(3.35,-2.5) 24(3.35,-2) 25(3.35,-1.5) 26(3.35,-1) 27(3.35,-0.5) 28(3.35,0) 29(3.35,0.5) 30(3.35,1) 31(3.35,1.5) 32(3.35,2) 33(3.35,2.5)
  oval 0.3x1.05 smd: 12(-2.5,-3.35) 13(-2,-3.35) 14(-1.5,-3.35) 15(-1,-3.35) 16(-0.5,-3.35) 17(0,-3.35) 18(0.5,-3.35) 19(1,-3.35) 20(1.5,-3.35) 21(2,-3.35) 22(2.5,-3.35) 34(2.5,3.35) 35(2,3.35) 36(1.5,3.35) 37(1,3.35) 38(0.5,3.35) 39(0,3.35) 40(-0.5,3.35) 41(-1,3.35) 42(-1.5,3.35) 43(-2,3.35) 44(-2.5,3.35)
  rect 5.2x5.2 smd: 45(0,0)
  silkscreen extent -4.57,-3.5 3.5,3.5, body extent -3.5,-3.5 3.5,3.5, height 0.8
QFN65P400X400X95-17N-S215 [mm] "QFN, 0.65mm Pitch, Square; 16 Pin, 4.00mm L X 4.00mm W X 0.95mm H Body (w/Thermal tab 2.15 X 2.15mm), IPC Medium Density"
  oval 1x0.35 smd: 1(-1.85,0.975) 2(-1.85,0.325) 3(-1.85,-0.325) 4(-1.85,-0.975) 9(1.85,-0.975) 10(1.85,-0.325) 11(1.85,0.325) 12(1.85,0.975)
  oval 0.35x1 smd: 5(-0.975,-1.85) 6(-0.325,-1.85) 7(0.325,-1.85) 8(0.975,-1.85) 13(0.975,1.85) 14(0.325,1.85) 15(-0.325,1.85) 16(-0.975,1.85)
  rect 2.15x2.15 smd: 17(0,0)
  silkscreen extent -3.07,-2 2,2, body extent -2,-2 2,2, height 0.95
RESC1005X40N [mm] "Chip Resistor, EIA 0402, Metric 1005, Body 1.0x0.5mm, IPC Medium Density"
  rect 0.58x0.62 smd: 1(-0.47,0) 2(0.47,0)
  body extent -0.52,-0.27 0.53,0.28, height 0.4
RESC1608X55N [mm] "Chip Resistor, EIA 0603, Metric 1608, Body 1.6x0.8mm, IPC Medium Density"
  rect 0.9x1 smd: 1(-0.8,0) 2(0.8,0)
  body extent -0.87,-0.47 0.88,0.48, height 0.55